# Allegro board FMDEMOD-before-back-annote.brd (continued)
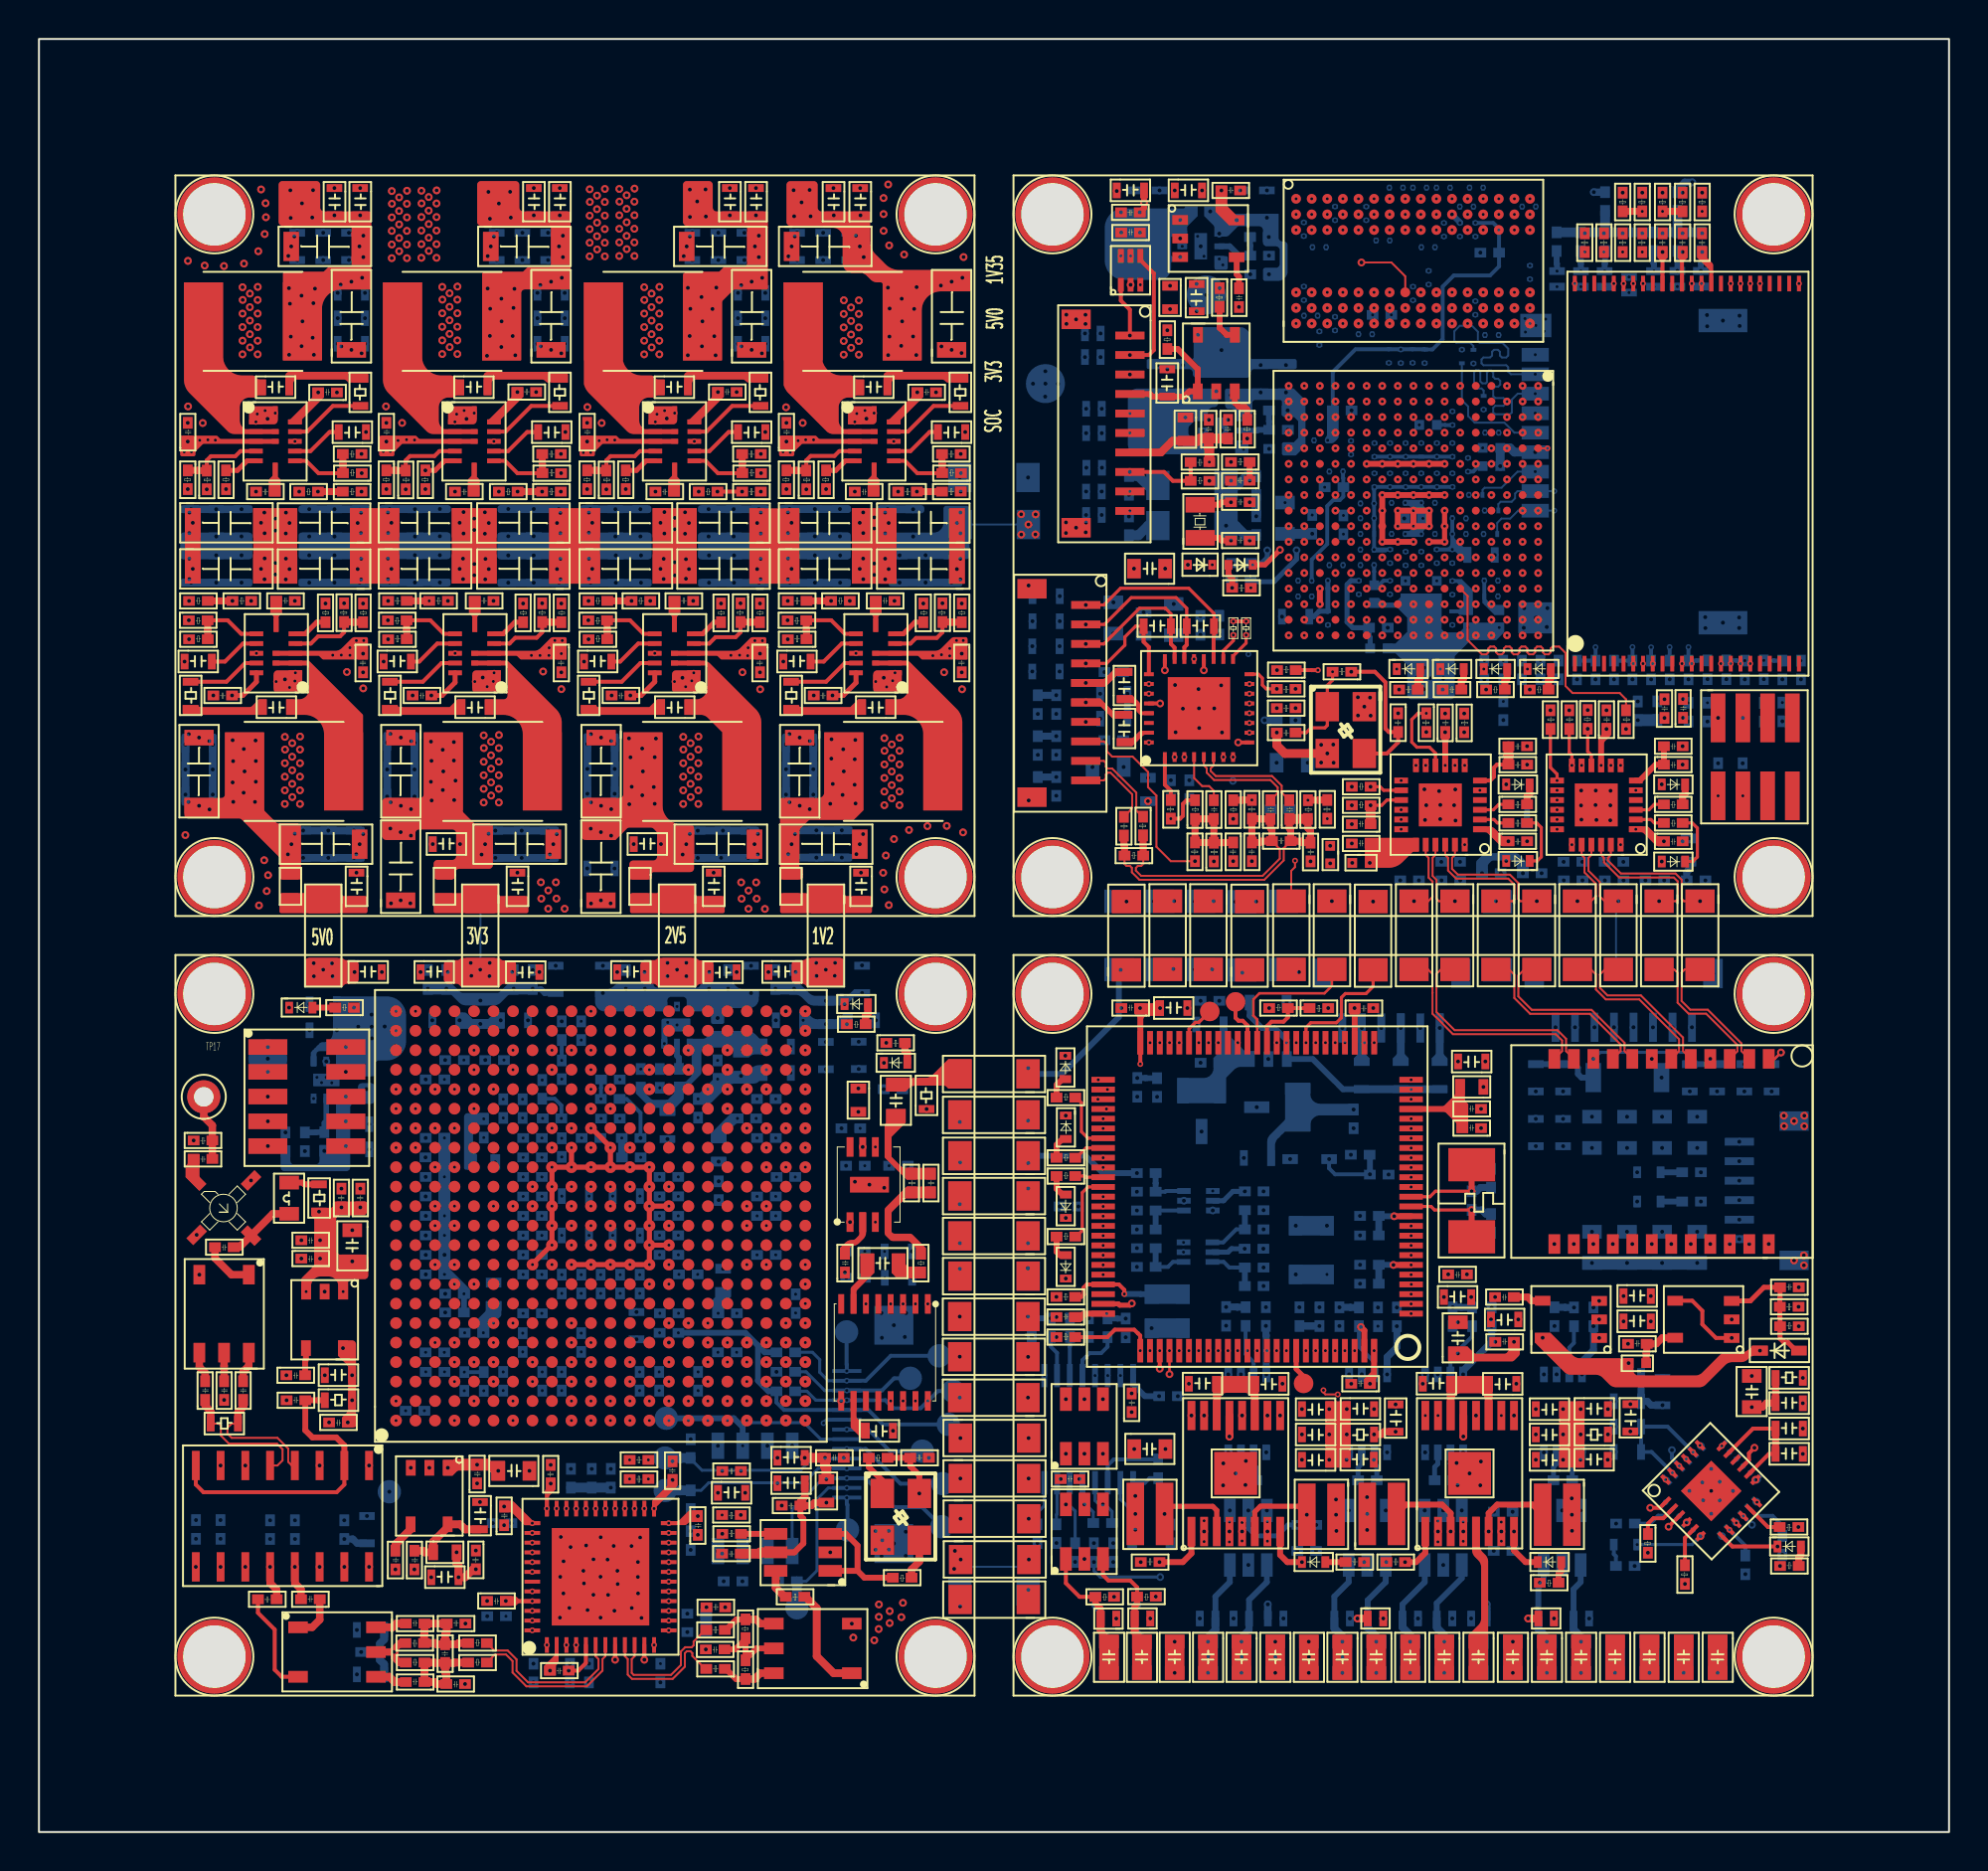
[diagram p0: board, top side]
## Placement (name value [footprint] x y rotation side) (continued)
NOREF#986  -  []  30.49 36.13 90 top
NOREF#987  -  []  33.65 38.17 0 top
NOREF#988  -  []  74.86 74.74 90 top
NOREF#989  -  []  71.28 67.97 90 top
NOREF#990  -  []  69.21 70.39 90 top
NOREF#991  -  []  79.4 37.9 90 top
NOREF#992  -  []  54.49 49.07 90 top
NOREF#993  -  []  46.41 64.01 0 top
NOREF#994  -  []  20.1 51.1 0 top
NOREF#995  -  []  42.87 41.06 90 top
NOREF#996  -  []  76.4 35.9 0 top
NOREF#997  -  []  31.49 5.62 90 top
NOREF#998  -  []  15.46 32.33 0 top
NOREF#999  -  []  67.3 77.44 90 top
NOREF#1000  -  []  74.74 56.59 90 top
NOREF#1001  -  []  16.34 41.13 0 top
NOREF#1002  -  []  19.41 7.69 90 top
NOREF#1003  -  []  59.02 41.88 90 top
NOREF#1004  -  []  60.59 11.26 90 top
NOREF#1005  -  []  80.05 25.35 90 top
NOREF#1006  -  []  77.16 58.02 0 top
NOREF#1007  -  []  53.57 77.19 0 top
NOREF#1008  -  []  55.08 42.67 0 top
NOREF#1009  -  []  53.63 69.08 0 top
NOREF#1010  -  []  28.17 41.13 90 top
NOREF#1011  -  []  40.78 49.9 90 top
NOREF#1012  -  []  70.02 20.44 90 top
NOREF#1013  -  []  59.22 71.18 90 top
NOREF#1014  -  []  54.65 11.55 90 top
NOREF#1015  -  []  39.86 32.22 90 top
NOREF#1016  -  []  16.3 20.63 90 top
NOREF#1017  -  []  37.25 9.2 90 top
NOREF#1018  -  []  10.45 29.62 90 top
NOREF#1019  -  []  33.05 20.61 0 top
NOREF#1020  -  []  42.47 62.78 90 top
NOREF#1021  -  []  42.13 57.31 0 top
NOREF#1022  -  []  57.99 19.03 90 top
NOREF#1023  -  []  53.57 76.59 90 top
NOREF#1024  -  []  64.42 64.09 0 top
NOREF#1025  -  []  39.53 16.36 90 top
NOREF#1026  -  []  79.9 80.61 90 top
NOREF#1027  -  []  46.01 72.84 0 top
NOREF#1028  -  []  16.09 44.53 0 top
NOREF#1029  -  []  63.19 61.81 90 top
NOREF#1030  -  []  26.26 28.45 90 top
NOREF#1031  -  []  34.77 64.77 90 top
NOREF#1032  -  []  88.86 26.56 0 top
NOREF#1033  -  []  14.59 10.77 0 top
NOREF#1034  -  []  38.02 40.2 90 top
NOREF#1035  -  []  58.29 75.37 90 top
NOREF#1036  -  []  83.9 20.4 90 top
NOREF#1037  -  []  37.79 19.61 0 top
NOREF#1038  -  []  71.28 75.77 90 top
NOREF#1039  -  []  33.05 68.39 90 top
NOREF#1040  -  []  19.27 43.65 0 top
NOREF#1041  -  []  79.07 56.15 90 top
NOREF#1042  -  []  27.73 35.49 0 top
NOREF#1043  -  []  65.44 76.69 0 top
NOREF#1044  -  []  79.9 17.9 90 top
NOREF#1045  -  []  78.5 7.97 90 top
NOREF#1046  -  []  73.77 58.68 90 top
NOREF#1047  -  []  5.88 35.87 90 top
NOREF#1048  -  []  89.06 58.68 90 top
NOREF#1049  -  []  57.68 41.03 90 top
NOREF#1050  -  []  68.62 67.94 0 top
NOREF#1051  -  []  17.44 61.78 0 top
NOREF#1052  -  []  78.3 21.61 0 top
NOREF#1053  -  []  0 0 0 top
NOREF#1054  -  []  13 29.97 0 top
NOREF#1055  -  []  13.14 51.48 90 top
NOREF#1056  -  []  17.78 33.22 90 top
NOREF#1057  -  []  66.19 26.46 0 top
NOREF#1058  -  []  23.67 67.2 0 top
NOREF#1059  -  []  45.23 12.66 90 top
NOREF#1060  -  []  28.02 47.95 90 top
NOREF#1061  -  []  26.29 23.15 0 top
NOREF#1062  -  []  57.68 41.03 0 top
NOREF#1063  -  []  40.18 62.78 90 top
NOREF#1064  -  []  14.11 23.05 90 top
NOREF#1065  -  []  91.8 92.3 0 top
NOREF#1066  -  []  69.73 7.97 90 top
NOREF#1067  -  []  34.86 32.22 90 top
NOREF#1068  -  []  77.8 35.9 0 top
NOREF#1069  -  []  70.1 17.1 0 top
NOREF#1070  -  []  74.93 51.39 0 top
NOREF#1071  -  []  70.05 12.68 90 top
NOREF#1072  -  []  32.98 33.22 0 top
NOREF#1073  -  []  60.7 69.91 90 top
NOREF#1074  -  []  15.89 50.13 0 top
NOREF#1075  -  []  78 7.97 90 top
NOREF#1076  -  []  38.09 60.47 0 top
NOREF#1077  -  []  46.95 66.36 90 top
NOREF#1078  -  []  17.77 52.72 0 top
NOREF#1079  -  []  27.74 60.81 90 top
NOREF#1080  -  []  33.75 8.98 0 top
NOREF#1081  -  []  65.87 62.32 0 top
NOREF#1082  -  []  61.72 35.8 0 top
NOREF#1083  -  []  9.98 64.01 0 top
NOREF#1084  -  []  55.03 24.3 90 top
NOREF#1085  -  []  22.65 36.18 90 top
NOREF#1086  -  []  22.65 36.18 0 top
NOREF#1087  -  []  27.43 40.17 0 top
NOREF#1088  -  []  67.46 63.89 0 top
NOREF#1089  -  []  9.76 62.64 90 top
NOREF#1090  -  []  72.75 62.75 90 top
NOREF#1091  -  []  35.05 82.85 0 top
NOREF#1092  -  []  56.1 54.22 0 top
NOREF#1093  -  []  58.9 23.41 0 top
NOREF#1094  -  []  41.96 66.39 90 top
NOREF#1095  -  []  54.04 24.3 90 top
NOREF#1096  -  []  69.68 67.94 90 top
NOREF#1097  -  []  74.31 39.43 0 top
NOREF#1098  -  []  73.7 24.05 0 top
NOREF#1099  -  []  43.75 63.99 0 top
NOREF#1100  -  []  71.07 38.01 90 top
NOREF#1101  -  []  72.5 22.6 90 top
NOREF#1102  -  []  65.39 48.71 0 top
NOREF#1103  -  []  21.3 26.13 90 top
NOREF#1104  -  []  56.91 56.43 90 top
NOREF#1105  -  []  72.75 84.2 0 top
NOREF#1106  -  []  35.6 61.62 90 top
NOREF#1107  -  []  54.28 7.97 90 top
NOREF#1108  -  []  8.97 59.66 90 top
NOREF#1109  -  []  64.75 78.6 0 top
NOREF#1110  -  []  58.74 32.89 0 top
NOREF#1111  -  []  66.9 54.02 0 top
NOREF#1112  -  []  67.35 26.41 0 top
NOREF#1113  -  []  35.25 67.2 0 top
NOREF#1114  -  []  72.17 24.36 90 top
NOREF#1115  -  []  29.85 18.7 0 top
NOREF#1116  -  []  64.5 77.4 0 top
NOREF#1117  -  []  69.42 81.43 0 top
NOREF#1118  -  []  78.12 58.02 0 top
NOREF#1119  -  []  53.64 69.7 90 top
NOREF#1120  -  []  63.4 53.13 90 top
NOREF#1121  -  []  33.43 39.67 0 top
NOREF#1122  -  []  22.78 31 0 top
NOREF#1123  -  []  8.49 57.93 0 top
NOREF#1124  -  []  44.89 40.1 90 top
NOREF#1125  -  []  15.23 79.38 0 top
NOREF#1126  -  []  32.04 49.32 90 top
NOREF#1127  -  []  66.24 71.18 0 top
NOREF#1128  -  []  57.48 75.15 0 top
NOREF#1129  -  []  62.44 49.35 90 top
NOREF#1130  -  []  24.98 69.58 0 top
NOREF#1131  -  []  13.47 64.77 0 top
NOREF#1132  -  []  83.94 80.61 90 top
NOREF#1133  -  []  63.01 27.62 0 top
NOREF#1134  -  []  35.86 82.85 90 top
NOREF#1135  -  []  58.92 52.83 0 top
NOREF#1136  -  []  68.6 21.61 0 top
NOREF#1137  -  []  35.25 65.6 90 top
NOREF#1138  -  []  68.62 67.18 0 top
NOREF#1139  -  []  69.52 68.41 0 top
NOREF#1140  -  []  27.73 68.44 90 top
NOREF#1141  -  []  40.95 33.02 0 top
NOREF#1142  -  []  62.48 37.19 0 top
NOREF#1143  -  []  73.78 24.85 0 top
NOREF#1144  -  []  15.9 62.59 0 top
NOREF#1145  -  []  34.86 33.22 90 top
NOREF#1146  -  []  22.06 9.53 0 top
NOREF#1147  -  []  61.69 80.5 90 top
NOREF#1148  -  []  89 23.71 0 top
NOREF#1149  -  []  62.6 55.67 0 top
NOREF#1150  -  []  30.49 36.13 0 top
NOREF#1151  -  []  40.18 63.56 0 top
NOREF#1152  -  []  83.67 80.66 0 top
NOREF#1153  -  []  40.82 27.61 0 top
NOREF#1154  -  []  78.81 79.19 0 top
NOREF#1155  -  []  35.77 71.42 0 top
NOREF#1156  -  []  33.17 23.15 90 top
NOREF#1157  -  []  14.1 49.32 90 top
NOREF#1158  -  []  70.9 23.41 0 top
NOREF#1159  -  []  75.38 72.38 90 top
NOREF#1160  -  []  28.02 47.95 90 top
NOREF#1161  -  []  59.89 53.4 90 top
NOREF#1162  -  []  22.58 40.96 0 top
NOREF#1163  -  []  52.58 15.33 90 top
NOREF#1164  -  []  54.35 57.54 0 top
NOREF#1165  -  []  10.78 11.55 0 top
NOREF#1166  -  []  16.41 36.06 0 top
NOREF#1167  -  []  57.75 30.72 90 top
NOREF#1168  -  []  12.85 82.16 0 top
NOREF#1169  -  []  31.82 57.31 0 top
NOREF#1170  -  []  82.24 9.97 90 top
NOREF#1171  -  []  51.96 17.72 90 top
NOREF#1172  -  []  39.86 29.22 90 top
NOREF#1173  -  []  66.3 21.61 0 top
NOREF#1174  -  []  72.88 82.25 90 top
NOREF#1175  -  []  46.95 59.04 90 top
NOREF#1176  -  []  43.95 66.37 90 top
NOREF#1177  -  []  85.22 56.52 90 top
NOREF#1178  -  []  80.6 21.3 90 top
NOREF#1179  -  []  61.66 49.35 0 top
NOREF#1180  -  []  34.86 31.22 90 top
NOREF#1181  -  []  72.98 63.97 90 top
NOREF#1182  -  []  77.58 58.68 90 top
NOREF#1183  -  []  77.83 9.66 0 top
NOREF#1184  -  []  13.38 13.94 0 top
NOREF#1185  -  []  8.98 64.52 0 top
NOREF#1186  -  []  21.95 16.79 0 top
NOREF#1187  -  []  55.97 67.78 90 top
NOREF#1188  -  []  85.51 11.22 0 top
NOREF#1189  -  []  43.35 12.66 0 top
NOREF#1190  -  []  37.86 72.71 90 top
NOREF#1191  -  []  20.03 13.48 0 top
NOREF#1192  -  []  87.3 37.9 90 top
NOREF#1193  -  []  69.38 48.44 0 top
NOREF#1194  -  []  74.94 13.96 0 top
NOREF#1195  -  []  18.64 35.92 90 top
NOREF#1196  -  []  83.83 16.59 90 top
NOREF#1197  -  []  75.67 58.23 90 top
NOREF#1198  -  []  38.97 78.57 90 top
NOREF#1199  -  []  64.89 30.53 90 top
NOREF#1200  -  []  8.68 64.01 90 top
NOREF#1201  -  []  55.97 7.97 90 top
NOREF#1202  -  []  61.33 82.73 90 top
NOREF#1203  -  []  14.23 62.64 90 top
NOREF#1204  -  []  77.59 79.19 0 top
NOREF#1205  -  []  32.17 23.15 90 top
NOREF#1206  -  []  64.48 51.13 0 top
NOREF#1207  -  []  26.85 7.22 90 top
NOREF#1208  -  []  37.7 8.15 0 top
NOREF#1209  -  []  55.24 9.95 0 top
NOREF#1210  -  []  26.26 34.44 90 top
NOREF#1211  -  []  6 6 0 top
NOREF#1212  -  []  18.03 14.72 90 top
NOREF#1213  -  []  78.3 20.31 0 top
NOREF#1214  -  []  37.47 12.47 0 top
NOREF#1215  -  []  20.97 15.79 90 top
NOREF#1216  -  []  56.28 61.18 0 top
NOREF#1217  -  []  88.89 58.69 90 top
NOREF#1218  -  []  51.64 54.81 90 top
NOREF#1219  -  []  45.84 18.03 0 top
NOREF#1220  -  []  90.47 24.78 0 top
NOREF#1221  -  []  75.06 67.12 90 top
NOREF#1222  -  []  40.28 39.9 90 top
NOREF#1223  -  []  7.24 72.76 0 top
NOREF#1224  -  []  32.66 33.85 90 top
NOREF#1225  -  []  39.84 78.96 0 top
NOREF#1226  -  []  36.48 18.14 90 top
NOREF#1227  -  []  46.59 36.54 90 top
NOREF#1228  -  []  65.55 51.62 90 top
NOREF#1229  -  []  73.19 67.92 0 top
NOREF#1230  -  []  38.68 40.71 0 top
NOREF#1231  -  []  31.39 27.01 90 top
NOREF#1232  -  []  89.06 56.53 0 top
NOREF#1233  -  []  33.26 24.44 90 top
NOREF#1234  -  []  79.9 41.1 0 top
NOREF#1235  -  []  19.39 27.44 0 top
NOREF#1236  -  []  90.47 26.78 0 top
NOREF#1237  -  []  86.38 15.15 0 top
NOREF#1238  -  []  57.01 21.19 0 top
NOREF#1239  -  []  86.05 54.75 90 top
NOREF#1240  -  []  33.5 66.36 0 top
NOREF#1241  -  []  29.58 36.96 0 top
NOREF#1242  -  []  19.17 70.24 90 top
NOREF#1243  -  []  16.21 31.08 0 top
NOREF#1244  -  []  14.49 67.43 90 top
NOREF#1245  -  []  83.9 23 90 top
NOREF#1246  -  []  32.15 62.78 90 top
NOREF#1247  -  []  17.58 60.47 0 top
NOREF#1248  -  []  44.59 37.79 0 top
NOREF#1249  -  []  29.65 52.8 90 top
NOREF#1250  -  []  24.18 43.71 90 top
NOREF#1251  -  []  20.98 35.22 0 top
NOREF#1252  -  []  61.6 80.21 90 top
NOREF#1253  -  []  26.44 54.14 90 top
NOREF#1254  -  []  66.51 49.65 90 top
NOREF#1255  -  []  81.37 60.56 0 top
NOREF#1256  -  []  82.44 80.66 0 top
NOREF#1257  -  []  39.39 18.8 90 top
NOREF#1258  -  []  10.77 24.6 90 top
NOREF#1259  -  []  30.25 26.78 90 top
NOREF#1260  -  []  80.42 60.56 0 top
NOREF#1261  -  []  52.48 64.61 0 top
NOREF#1262  -  []  82.91 80.61 90 top
NOREF#1263  -  []  24.55 13.98 90 top
NOREF#1264  -  []  68.82 17.66 0 top
NOREF#1265  -  []  56.94 82.72 90 top
NOREF#1266  -  []  67.18 65.49 0 top
NOREF#1267  -  []  64.73 41.89 0 top
NOREF#1268  -  []  75.02 70.34 0 top
NOREF#1269  -  []  27.13 82.85 90 top
NOREF#1270  -  []  75.85 33.57 90 top
NOREF#1271  -  []  17.79 30.22 90 top
NOREF#1272  -  []  19.18 59.66 90 top
NOREF#1273  -  []  82.33 60.56 0 top
NOREF#1274  -  []  25.51 71.42 90 top
NOREF#1275  -  []  90.73 15.26 90 top
NOREF#1276  -  []  13.45 64.52 0 top
NOREF#1277  -  []  35.39 10.36 0 top
NOREF#1278  -  []  77.59 79.19 90 top
NOREF#1279  -  []  77.6 26.7 90 top
NOREF#1280  -  []  56.51 79.39 90 top
NOREF#1281  -  []  43.74 64.01 0 top
NOREF#1282  -  []  43.01 40.1 0 top
NOREF#1283  -  []  20.03 14.75 0 top
NOREF#1284  -  []  62.07 66.09 0 top
NOREF#1285  -  []  90.6 21.6 90 top
NOREF#1286  -  []  23.14 68.39 0 top
NOREF#1287  -  []  17.78 52.8 90 top
NOREF#1288  -  []  25.71 51.48 90 top
NOREF#1289  -  []  20.44 7.2 0 top
NOREF#1290  -  []  23.96 42.81 0 top
NOREF#1291  -  []  25.65 34.18 90 top
NOREF#1292  -  []  78 7.97 90 top
NOREF#1293  -  []  82.33 12.48 90 top
NOREF#1294  -  []  25.48 77.27 90 top
NOREF#1295  -  []  34.59 13.89 0 top
NOREF#1296  -  []  81.89 24.85 90 top
NOREF#1297  -  []  39.31 78.96 90 top
NOREF#1298  -  []  77.5 23.4 90 top
NOREF#1299  -  []  35.98 72.71 0 top
NOREF#1300  -  []  29.93 30.21 90 top
NOREF#1301  -  []  19.27 42.05 90 top
NOREF#1302  -  []  69.34 55.98 0 top
NOREF#1303  -  []  61.52 17.5 90 top
NOREF#1304  -  []  38.19 57.52 0 top
NOREF#1305  -  []  62.63 63.77 90 top
NOREF#1306  -  []  74.25 67.92 90 top
NOREF#1307  -  []  15.72 20.98 90 top
NOREF#1308  -  []  29.34 37.26 0 top
NOREF#1309  -  []  17.43 68.44 0 top
NOREF#1310  -  []  24.69 39.91 90 top
NOREF#1311  -  []  15.03 36.09 90 top
NOREF#1312  -  []  12.18 40.73 0 top
NOREF#1313  -  []  55.87 31.68 0 top
NOREF#1314  -  []  51.75 34.2 90 top
NOREF#1315  -  []  84.79 50.44 90 top
NOREF#1316  -  []  62.81 7.97 90 top
NOREF#1317  -  []  33.83 16.11 90 top
NOREF#1318  -  []  90.74 26.56 90 top
NOREF#1319  -  []  16.24 59.04 90 top
NOREF#1320  -  []  15.22 28.5 90 top
NOREF#1321  -  []  70.12 65.3 0 top
NOREF#1322  -  []  72.29 63.31 0 top
NOREF#1323  -  []  13.99 13.94 90 top
NOREF#1324  -  []  44.6 73.48 90 top
NOREF#1325  -  []  46.95 63.99 90 top
NOREF#1326  -  []  15.57 33.33 90 top
NOREF#1327  -  []  34.68 51.48 90 top
NOREF#1328  -  []  76.41 83.14 90 top
NOREF#1329  -  []  38.76 65.62 0 top
NOREF#1330  -  []  28.54 67.98 0 top
NOREF#1331  -  []  72.25 65.5 0 top
NOREF#1332  -  []  24.98 9.1 0 top
NOREF#1333  -  []  81.82 56.14 90 top
NOREF#1334  -  []  17.76 12.38 0 top
NOREF#1335  -  []  26.9 20.69 0 top
NOREF#1336  -  []  65.42 63.97 0 top
NOREF#1337  -  []  37.36 79.38 0 top
NOREF#1338  -  []  83.67 82.72 90 top
NOREF#1339  -  []  78.52 58.68 90 top
NOREF#1340  -  []  85.76 53.42 90 top
NOREF#1341  -  []  58.99 79.53 0 top
NOREF#1342  -  []  81.26 11.22 0 top
NOREF#1343  -  []  35.38 36.22 90 top
NOREF#1344  -  []  66.16 81.08 0 top
NOREF#1345  -  []  81.25 20.45 0 top
NOREF#1346  -  []  32.01 50.29 90 top
NOREF#1347  -  []  29.47 59.66 90 top
NOREF#1348  -  []  72.73 7.97 90 top
NOREF#1349  -  []  44.3 28.56 90 top
NOREF#1350  -  []  82.3 21.21 0 top
NOREF#1351  -  []  19.21 68.43 90 top
NOREF#1352  -  []  51.96 18.5 0 top
NOREF#1353  -  []  20.16 67.98 90 top
NOREF#1354  -  []  34.19 14.79 90 top
NOREF#1355  -  []  49.2 45.9 0 top
NOREF#1356  -  []  60.7 70.69 0 top
NOREF#1357  -  []  73.37 49.39 0 top
NOREF#1358  -  []  51.66 60.13 90 top
NOREF#1359  -  []  59.89 47.74 0 top
NOREF#1360  -  []  39.41 67.98 0 top
NOREF#1361  -  []  44.44 28.05 90 top
NOREF#1362  -  []  35.17 23.15 90 top
NOREF#1363  -  []  55.52 7.97 90 top
NOREF#1364  -  []  84.01 9.97 90 top
NOREF#1365  -  []  46.95 63.5 0 top
NOREF#1366  -  []  75.9 24.21 0 top
NOREF#1367  -  []  55.53 66.08 90 top
NOREF#1368  -  []  74.02 70.28 0 top
NOREF#1369  -  []  24.68 80.56 90 top
NOREF#1370  -  []  50.05 58.35 0 top
NOREF#1371  -  []  31.27 64.77 90 top
NOREF#1372  -  []  39.49 36.95 90 top
NOREF#1373  -  []  78.81 79.19 90 top
NOREF#1374  -  []  33.22 39.34 90 top
NOREF#1375  -  []  20.35 22.26 0 top
NOREF#1376  -  []  63.01 28.58 0 top
NOREF#1377  -  []  15.26 13.94 90 top
NOREF#1378  -  []  17.6 57.52 0 top
NOREF#1379  -  []  73.79 58.23 0 top
NOREF#1380  -  []  8.68 64.01 0 top
NOREF#1381  -  []  25.43 35.56 0 top
NOREF#1382  -  []  61.4 28.76 0 top
NOREF#1383  -  []  53.21 66.92 90 top
NOREF#1384  -  []  26.32 74.67 0 top
NOREF#1385  -  []  60.76 63.45 0 top
NOREF#1386  -  []  17.33 20.11 0 top
NOREF#1387  -  []  33.05 12.42 90 top
NOREF#1388  -  []  13.97 34.14 0 top
NOREF#1389  -  []  38.38 10.45 90 top
NOREF#1390  -  []  14.56 23.85 0 top
NOREF#1391  -  []  70.22 75.77 0 top
NOREF#1392  -  []  70.79 55.98 0 top
NOREF#1393  -  []  70.22 66.37 0 top
NOREF#1394  -  []  36.29 9.87 90 top
NOREF#1395  -  []  67.99 7.97 90 top
NOREF#1396  -  []  77.74 23.98 90 top
NOREF#1397  -  []  30.36 35.08 90 top
NOREF#1398  -  []  63.05 57.28 0 top
NOREF#1399  -  []  74.96 77.24 90 top
NOREF#1400  -  []  40.33 -2.89 90 top
NOREF#1401  -  []  38.43 29.65 0 top
NOREF#1402  -  []  7.39 64.01 0 top
NOREF#1403  -  []  76.77 74.8 90 top
NOREF#1404  -  []  26.32 82.85 0 top
NOREF#1405  -  []  14.76 82.85 0 top
NOREF#1406  -  []  59.77 83.83 90 top
NOREF#1407  -  []  72.15 12.68 90 top
NOREF#1408  -  []  60.62 71.04 90 top
NOREF#1409  -  []  63.11 51.21 0 top
NOREF#1410  -  []  33.96 64.77 0 top
NOREF#1411  -  []  85.77 9.97 90 top
NOREF#1412  -  []  74.38 11.26 0 top
NOREF#1413  -  []  45.52 20.99 90 top
NOREF#1414  -  []  77 34.9 90 top
NOREF#1415  -  []  38.98 70.31 0 top
NOREF#1416  -  []  27.09 66.37 90 top
NOREF#1417  -  []  84.79 51.39 90 top
NOREF#1418  -  []  8.04 67.98 0 top
NOREF#1419  -  []  15.46 31.52 90 top
NOREF#1420  -  []  53.34 25.25 0 top
NOREF#1421  -  []  69.89 67.84 0 top
NOREF#1422  -  []  68.75 71.45 0 top
NOREF#1423  -  []  16.29 80.57 90 top
NOREF#1424  -  []  66.9 53.07 0 top
NOREF#1425  -  []  72.18 68.41 90 top
NOREF#1426  -  []  88.9 13.73 90 top
NOREF#1427  -  []  76.13 27.06 90 top
NOREF#1428  -  []  33.39 68.39 0 top
NOREF#1429  -  []  37.82 70.24 0 top
NOREF#1430  -  []  17.59 67.97 0 top
NOREF#1431  -  []  61.02 41.48 90 top
NOREF#1432  -  []  64.93 57.28 90 top
NOREF#1433  -  []  24.99 82.85 0 top
NOREF#1434  -  []  31.86 36.22 90 top
NOREF#1435  -  []  64.89 31.52 90 top
NOREF#1436  -  []  58.42 71.18 0 top
NOREF#1437  -  []  54.88 25.22 0 top
NOREF#1438  -  []  59.65 35.94 0 top
NOREF#1439  -  []  29.72 46.29 0 top
NOREF#1440  -  []  66.85 33.58 0 top
NOREF#1441  -  []  7.47 34.15 0 top
NOREF#1442  -  []  62.64 63.45 90 top
NOREF#1443  -  []  79.49 11.22 0 top
NOREF#1444  -  []  76.66 24.85 90 top
NOREF#1445  -  []  27.87 60.47 0 top
NOREF#1446  -  []  79.9 20.8 90 top
NOREF#1447  -  []  32.81 10.81 0 top
NOREF#1448  -  []  26.41 59.04 0 top
NOREF#1449  -  []  7.23 61.78 0 top
NOREF#1450  -  []  81.87 80.61 0 top
NOREF#1451  -  []  51.64 56.91 90 top
NOREF#1452  -  []  68.09 76.05 0 top
NOREF#1453  -  []  34.3 43.71 0 top
NOREF#1454  -  []  8.04 65.62 0 top
NOREF#1455  -  []  37.33 44.53 0 top
NOREF#1456  -  []  54.66 10.72 90 top
NOREF#1457  -  []  71.8 65.91 90 top
NOREF#1458  -  []  74.78 24.85 0 top
NOREF#1459  -  []  70.58 68.41 90 top
NOREF#1460  -  []  23.11 73.73 90 top
NOREF#1461  -  []  16.1 60.98 0 top
NOREF#1462  -  []  8.78 15.55 0 top
NOREF#1463  -  []  64.06 7.97 90 top
NOREF#1464  -  []  71.13 15.42 0 top
NOREF#1465  -  []  25.02 68.39 90 top
NOREF#1466  -  []  56.98 76.97 0 top
NOREF#1467  -  []  19.56 62.78 90 top
NOREF#1468  -  []  68.28 30.49 90 top
NOREF#1469  -  []  25.19 42.06 0 top
NOREF#1470  -  []  21.43 64.02 90 top
NOREF#1471  -  []  53.63 71.47 0 top
NOREF#1472  -  []  7.42 54.11 0 top
NOREF#1473  -  []  10.43 61.04 0 top
NOREF#1474  -  []  64.44 49.88 90 top
NOREF#1475  -  []  73.09 71.68 0 top
NOREF#1476  -  []  90.01 58.68 90 top
NOREF#1477  -  []  78.05 54.75 90 top
NOREF#1478  -  []  71.19 67.01 0 top
NOREF#1479  -  []  40.7 67.98 0 top
NOREF#1480  -  []  69.66 61.4 90 top
NOREF#1481  -  []  42.88 38.5 90 top
NOREF#1482  -  []  22.78 30.22 90 top
NOREF#1483  -  []  67.9 19.5 90 top
NOREF#1484  -  []  22.26 26.45 90 top
NOREF#1485  -  []  70.81 70.39 90 top
NOREF#1486  -  []  40.36 82.85 0 top
NOREF#1487  -  []  60.7 69.72 0 top
NOREF#1488  -  []  79.75 7.97 90 top
NOREF#1489  -  []  64.88 38.71 0 top
NOREF#1490  -  []  61.34 73.34 0 top
NOREF#1491  -  []  58.74 31.89 90 top
NOREF#1492  -  []  84.55 23.88 90 top
NOREF#1493  -  []  64.62 42.71 0 top
NOREF#1494  -  []  92.35 24.78 90 top
NOREF#1495  -  []  77.23 26.46 0 top
NOREF#1496  -  []  64.53 7.97 90 top
NOREF#1497  -  []  16.87 64.77 90 top
NOREF#1498  -  []  15.23 76.77 0 top
NOREF#1499  -  []  56.88 25.22 90 top
NOREF#1500  -  []  70.49 9.97 90 top
NOREF#1501  -  []  61.6 71.04 0 top
NOREF#1502  -  []  63.32 34.99 90 top
NOREF#1503  -  []  24.4 81.37 0 top
NOREF#1504  -  []  21.27 27.44 90 top
NOREF#1505  -  []  61.33 82.73 0 top
NOREF#1506  -  []  31.19 36.74 0 top
NOREF#1507  -  []  34.61 63.5 0 top
NOREF#1508  -  []  14.99 80.56 90 top
NOREF#1509  -  []  37.38 24 0 top
NOREF#1510  -  []  51.8 52.71 0 top
NOREF#1511  -  []  88.3 24.7 0 top
NOREF#1512  -  []  35.97 51.48 90 top
NOREF#1513  -  []  38.23 54.44 0 top
NOREF#1514  -  []  21.7 50.29 90 top
NOREF#1515  -  []  63.5 31.6 90 top
NOREF#1516  -  []  88.65 25.16 0 top
NOREF#1517  -  []  70.37 63.25 90 top
NOREF#1518  -  []  70.74 67.51 0 top
NOREF#1519  -  []  79.4 35.09 90 top
NOREF#1520  -  []  24.68 18.84 90 top
NOREF#1521  -  []  23.86 39.22 90 top
NOREF#1522  -  []  28.98 35.22 0 top
NOREF#1523  -  []  36.63 54.12 0 top
NOREF#1524  -  []  18.43 70.31 0 top
NOREF#1525  -  []  79.07 56.15 0 top
NOREF#1526  -  []  55.07 81.68 90 top
NOREF#1527  -  []  39.99 68.44 90 top
NOREF#1528  -  []  16.05 64.01 0 top
NOREF#1529  -  []  69.24 7.97 90 top
NOREF#1530  -  []  65.32 50.31 90 top
NOREF#1531  -  []  26.27 64 90 top
NOREF#1532  -  []  71.98 27.86 0 top
NOREF#1533  -  []  31.49 5.62 0 top
NOREF#1534  -  []  33.12 82.16 0 top
NOREF#1535  -  []  55.24 12.33 90 top
NOREF#1536  -  []  34.86 29.23 90 top
NOREF#1537  -  []  64.26 70.58 0 top
NOREF#1538  -  []  52.63 14.36 0 top
NOREF#1539  -  []  62.64 17.66 0 top
NOREF#1540  -  []  60.7 65.88 90 top
NOREF#1541  -  []  25.43 61.62 90 top
NOREF#1542  -  []  69.78 68.41 90 top
NOREF#1543  -  []  56.8 83.83 90 top
NOREF#1544  -  []  66.28 29.24 0 top
NOREF#1545  -  []  73.22 9.66 90 top
NOREF#1546  -  []  26.79 41.25 90 top
NOREF#1547  -  []  80.03 79.19 0 top
NOREF#1548  -  []  73.78 69.96 90 top
NOREF#1549  -  []  39.83 53.63 90 top
NOREF#1550  -  []  27.26 35.45 90 top
NOREF#1551  -  []  26.44 52.86 0 top
NOREF#1552  -  []  36.6 59.04 0 top
NOREF#1553  -  []  69.06 65.5 0 top
NOREF#1554  -  []  33.41 16.67 0 top
NOREF#1555  -  []  25.8 82.85 0 top
NOREF#1556  -  []  51.66 57.33 0 top
NOREF#1557  -  []  90.8 14.73 90 top
NOREF#1558  -  []  23.33 82.17 0 top
NOREF#1559  -  []  68.19 64.2 90 top
NOREF#1560  -  []  83.28 60.56 0 top
NOREF#1561  -  []  44.89 30.19 90 top
NOREF#1562  -  []  60.95 60.98 90 top
NOREF#1563  -  []  61.68 82.23 0 top
NOREF#1564  -  []  29.5 68.43 90 top
NOREF#1565  -  []  12.57 61.75 90 top
NOREF#1566  -  []  70.31 83.68 0 top
NOREF#1567  -  []  12.66 11.55 90 top
NOREF#1568  -  []  76.77 69.8 0 top
NOREF#1569  -  []  37.25 7.2 90 top
NOREF#1570  -  []  7.37 60.47 0 top
NOREF#1571  -  []  28.95 26.54 90 top
NOREF#1572  -  []  52.58 52.71 90 top
NOREF#1573  -  []  63.6 24.05 0 top
NOREF#1574  -  []  17.79 31.22 90 top
NOREF#1575  -  []  84.94 80.61 0 top
NOREF#1576  -  []  73.55 70.62 90 top
NOREF#1577  -  []  69.58 35.01 90 top
NOREF#1578  -  []  78.3 22.91 0 top
NOREF#1579  -  []  59.45 73.92 90 top
NOREF#1580  -  []  77.58 60.56 0 top
NOREF#1581  -  []  67.09 69.5 90 top
NOREF#1582  -  []  72.75 75.75 0 top
NOREF#1583  -  []  83.01 58.58 0 top
NOREF#1584  -  []  16.41 36.06 90 top
NOREF#1585  -  []  82.9 22.61 0 top
NOREF#1586  -  []  54.21 55.63 90 top
NOREF#1587  -  []  56.31 67.96 90 top
NOREF#1588  -  []  39.48 49.9 0 top
NOREF#1589  -  []  34.74 17.81 0 top
NOREF#1590  -  []  40.99 41.06 0 top
NOREF#1591  -  []  20.94 11.46 0 top
NOREF#1592  -  []  66.74 34.99 90 top
NOREF#1593  -  []  18.23 67.98 0 top
NOREF#1594  -  []  63.2 24.87 0 top
NOREF#1595  -  []  41.17 57.93 90 top
NOREF#1596  -  []  66.3 20.31 0 top
NOREF#1597  -  []  23.16 8.53 0 top
NOREF#1598  -  []  14.66 27.73 0 top
NOREF#1599  -  []  39.35 30.18 0 top
NOREF#1600  -  []  57.48 73.55 90 top
NOREF#1601  -  []  74.93 54.38 90 top
NOREF#1602  -  []  86.58 13.23 90 top
NOREF#1603  -  []  35.63 8.98 90 top
NOREF#1604  -  []  61.45 82.7 90 top
NOREF#1605  -  []  64.89 28.58 90 top
NOREF#1606  -  []  92.35 12.48 90 top
NOREF#1607  -  []  33.29 23.15 0 top
NOREF#1608  -  []  35.79 78.96 0 top
NOREF#1609  -  []  60.51 69.9 90 top
NOREF#1610  -  []  34.39 26.23 0 top
NOREF#1611  -  []  76.65 60.56 0 top
NOREF#1612  -  []  61.17 41.38 0 top
NOREF#1613  -  []  74.93 52.34 90 top
NOREF#1614  -  []  71.07 78.22 0 top
NOREF#1615  -  []  68.92 30.22 0 top
NOREF#1616  -  []  36.47 15.88 90 top
NOREF#1617  -  []  10.85 21.07 90 top
NOREF#1618  -  []  31.21 29.06 0 top
NOREF#1619  -  []  39.78 49.32 90 top
NOREF#1620  -  []  25.46 76.2 90 top
NOREF#1621  -  []  69.73 7.97 90 top
NOREF#1622  -  []  83.01 11.22 0 top
NOREF#1623  -  []  17.45 31.08 90 top
NOREF#1624  -  []  85.7 32.25 0 top
NOREF#1625  -  []  69.68 65.57 90 top
NOREF#1626  -  []  23.64 36.18 0 top
NOREF#1627  -  []  76.75 7.97 90 top
NOREF#1628  -  []  37.65 16.36 0 top
NOREF#1629  -  []  58.72 29.25 90 top
NOREF#1630  -  []  42.88 39.28 0 top
NOREF#1631  -  []  17.58 64.01 90 top
NOREF#1632  -  []  18.4 66.37 90 top
NOREF#1633  -  []  9.94 21.07 0 top
NOREF#1634  -  []  41.65 42.25 0 top
NOREF#1635  -  []  14.7 51.48 90 top
NOREF#1636  -  []  43.92 21.8 0 top
NOREF#1637  -  []  75.09 80.65 0 top
NOREF#1638  -  []  9.99 67.97 0 top
NOREF#1639  -  []  110.6 59.7 90 top
NOREF#1640  -  []  67.82 34.9 0 top
NOREF#1641  -  []  29.71 18.17 90 top
NOREF#1642  -  []  29.72 68.44 0 top
NOREF#1643  -  []  60.18 13.72 90 top
NOREF#1644  -  []  6.57 59.12 90 top
NOREF#1645  -  []  63.05 58.27 0 top
NOREF#1646  -  []  71.49 67.84 90 top
NOREF#1647  -  []  64.06 7.97 90 top
NOREF#1648  -  []  25.71 53.08 0 top
NOREF#1649  -  []  53.54 56.55 90 top
NOREF#1650  -  []  10.43 61.04 90 top
NOREF#1651  -  []  72.81 81.08 90 top
NOREF#1652  -  []  69.89 67.84 90 top
NOREF#1653  -  []  37.2 82.85 90 top
NOREF#1654  -  []  34.97 46.29 0 top
NOREF#1655  -  []  21.09 9.17 0 top
NOREF#1656  -  []  29.34 37.26 90 top
NOREF#1657  -  []  53.63 72.73 0 top
NOREF#1658  -  []  18.41 57.52 90 top
